# KiCad board squishy.kicad_pcb (continued)
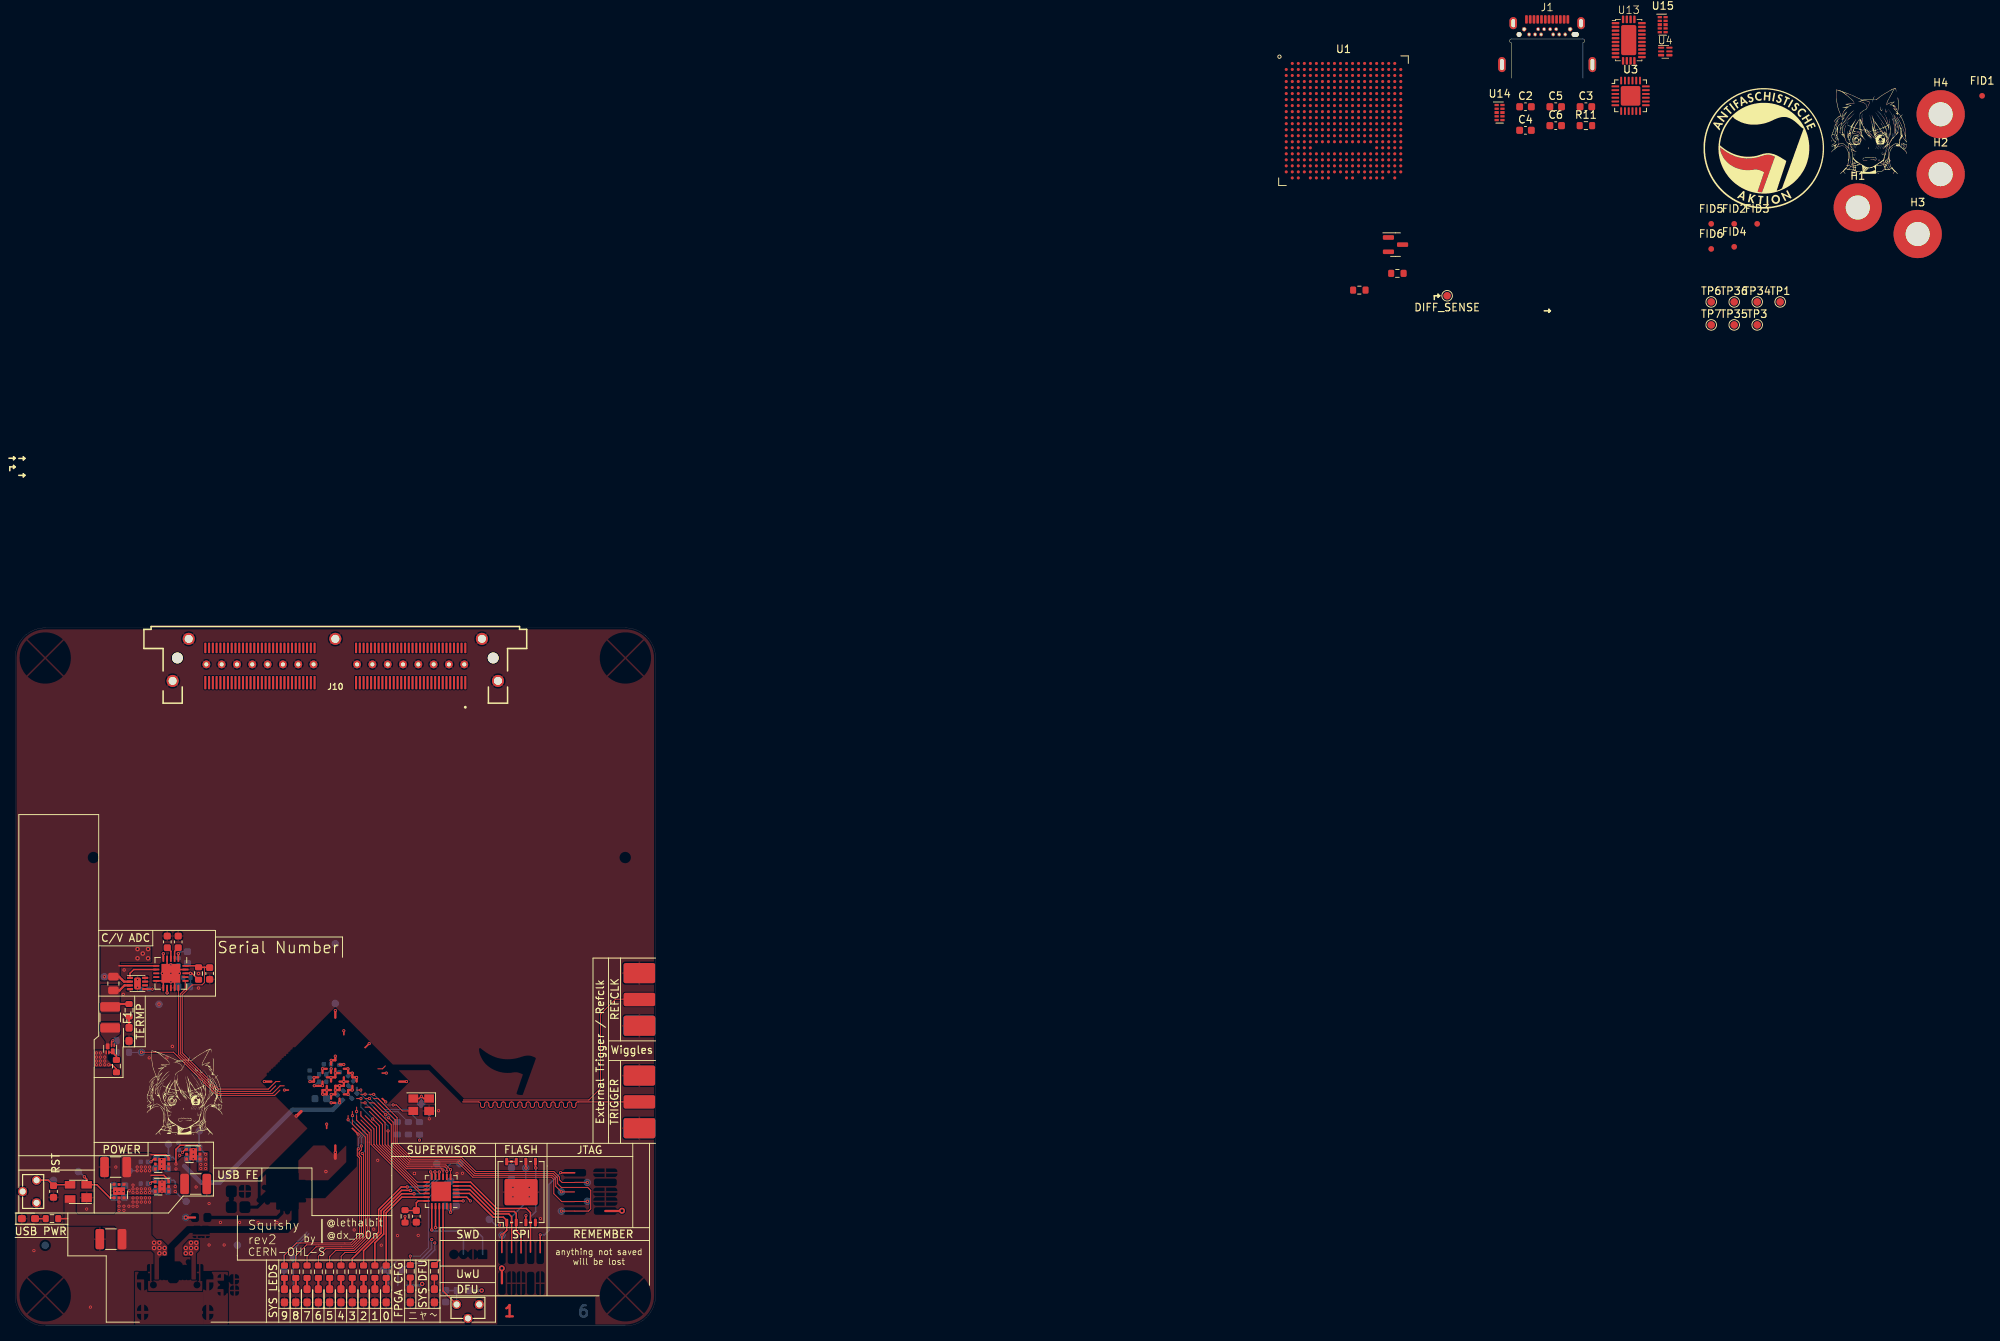
[diagram p0: board, top side]
## Routing (per net, layer and track width the routed paths; a pad name or vN(x,y) marks a point on that pad's centre or on a via; arc(x,y) is an arc through that point) (continued)

## Copper pours and planes (outline as drawn; the poured copper is in the pictures)
+1V1 on Top: 25.65,20.55 24.25,20.55 24.25,23.1 25.65,23.1
+1V1 on Bottom: 25.65,23.5 25.65,20.55 24.25,20.55 24.25,21.65 25.02,21.65 25.02,22.88 24.73,23.18 23.98,23.18 23.98,24.12 25.02,24.12
+1V1 on In2.Cu: 52.4,32.45 42.5,22.55 32.6,32.45 42.5,42.35
+1V1 on In2.Cu: 42.5,22.55 42.48,22.53 27.62,22.53 25.65,20.55 24.25,20.55 24.25,23.68 40.17,23.68 40.77,24.28
+1V8 on Top: 21.55,17.55 20.1,17.55 20.1,18.8 21.55,18.8
+1V8 on Bottom: 21.55,19.35 21.55,17.55 20.98,17.55 20.98,18.68 20.73,18.88 19.83,18.88 19.83,19.83 20.98,19.83
+2V5 on Top: 23.12,17.48 21.92,17.48 21.92,20.55 20.1,20.55 20.1,21.8 21.5,21.8 22.15,22.45 23.12,22.45
+2V5 on Bottom: 21.7,22.08 21.9,22.08 22.5,22.68 23.33,22.68 23.33,21.73 22.15,20.55 20.92,20.55 20.92,21.58 20.62,21.88 19.83,21.88 19.83,22.83 20.95,22.83
+3V3 on Top, In2.Cu, In3.Cu: 18.1,21.2 18.9,21.2 18.9,20.5 18.1,20.5 18.1,18.2 19.12,18.2 19.12,17.4 14.85,17.4 14.85,18.5 14.1,18.5 14.1,22.95 18.1,22.95
+3V3 on Bottom: 19.12,21.38 19.12,20.3 15.92,20.3 15.92,21.4
+3V3 on Bottom: 16.27,18.45 19.17,18.45 19.17,17.4 15.4,17.4 14.62,18.18 14.08,18.18 14.08,19.08 15.65,19.08
+3V3 on In3.Cu: 38.77,14.65 33.58,14.65 33.58,25 38.77,25
+3V3 on In3.Cu: 40.08,25 20.15,25 18.1,22.95 14.1,22.95 19.23,28.08 36,28.08 36.5,28.58
+3V3 on In3.Cu: 52.4,32.45 42.5,22.55 32.6,32.45 42.5,42.35
+3V3 on In3.Cu: 81,14.65 70.6,4.25 43.98,4.25 33.58,14.65 42.12,14.65 50,22.53 81,22.53
+5V on Top: 24,6.15 23.4,6.15 23.4,9.3 22.35,9.3 22.35,10.65 23.05,11.4 24.4,11.4 24.4,10.05 24,9.65
+5V on Top: 8.05,15.05 8.3,14.8 13.2,14.8 13.5,15.1 13.5,17.3 18.1,17.3 18.1,12.05 18.75,11.4 19.45,11.4 20.2,10.65 20.2,9.3 19.4,9.3 19.1,9 19.1,6.15 18.5,6.15 18.5,9.65 18.1,10.05 13.5,10.05 13.5,13 13.2,13.3 6.8,13.3 6.55,13.55 6.55,17.4 8.05,17.4
+5V on Top: 12.25,35.38 12.73,34.9 12.73,34.35 10.5,34.35 10.5,36.6 12.25,36.6
+5V on Bottom: 13.58,17.05 14.27,16.38 15.27,16.38 15.27,17.3 18.1,17.3 18.1,15.05 12.62,15.05 12.62,17.53 13.58,17.53
+5V on Bottom: 12.25,35.9 12.25,35.38 12.73,34.9 12.73,34.35 10.5,34.35 10.5,36.6 11.55,36.6
+5V on Bottom, In2.Cu, In3.Cu: 24.4,10.05 23.65,9.3 18.85,9.3 18.1,10.05 18.1,11.4 24.4,11.4
+5V on In2.Cu: 12.7,17.3 18.1,17.3 18.1,15.05 10.5,15.05 10.5,36.6 12.7,36.6
+5V on In2.Cu: 18.75,43.8 18.1,43.8 12.7,38.4 12.7,36.6 10.5,36.6 10.5,38.9 17,45.4 18.75,45.4
+5V on In3.Cu: 18.1,15 13.5,15 13.5,17.3 18.1,17.3
GND on Top, Bottom, In1.Cu, In2.Cu, In3.Cu, In4.Cu: 85,92.7 85,0 77,0 77,3.9 64,3.9 64,0 28.35,0 28.35,7.3 24.85,7.3 24.85,4.6 17.65,4.6 17.65,7.3 15.8,7.3 15.8,0 0,0 0,92.7
(no net) on Top, Bottom, In1.Cu, In2.Cu, In3.Cu, In4.Cu: 17.55,7.2 17.55,4.5 24.95,4.5 24.95,0 15.9,0 15.9,7.2
(no net) on Top, Bottom, In1.Cu, In2.Cu, In3.Cu, In4.Cu: 28.25,0 24.95,0 24.95,7.2 28.25,7.2
/Termination Power/_TERMPWR on Top: 13.9,41.6 11.35,41.6 11.35,45.28 13.9,45.28
/TERMPWR on Top: 18.08,48.35 13.9,48.35 13.9,45.88 11.35,45.88 11.35,50.48 18.08,50.48
/TERMPWR on Bottom: 34.92,52.48 18.45,52.48 18.08,52.1 18.08,48.35 15.85,48.35 15.85,53.25 33.7,53.25 34.05,53.6 34.08,56.88 34.92,56.88
Net-(F1-Pad2) on Top: 13.9,38.75 12.52,37.8 12.52,36.75 12.02,36.75 12.02,37.83 11.35,38.75 11.35,40.35 13.9,40.35

## Text on the board
Bottom: 6
B.Silkscreen: DEBUG UART | JLCJLCJLCJLCJLC
Top: 1
F.Fab: Pre-Preg | Core | GND/SIG | PWR | TOP | BOT | Board Stackup
F.Silkscreen: anything not saved / will be lost | CERN-OHL-S | by | @lethalbit | @dx_m0n | USB PWR | POWER | C/V ADC | USB FE | 9 | 8 | 7 | 6 | 5 | 4 | 3 | 2 | 1 | 0 | SUPERVISOR | SWD | UwU | FLASH | SPI | JTAG | REMEMBER | Wiggles | TERMP | SYS LEDS | FPGA CFG | SYS DFU | External Trigger / Refclk | TRIGGER | REFCLK | Squishy / rev2 | ニャ〜 | Serial Number
In1.Cu: 2
In2.Cu: 3
In3.Cu: 4
In4.Cu: 5
